# KiCad board SBC.kicad_pcb (continued)
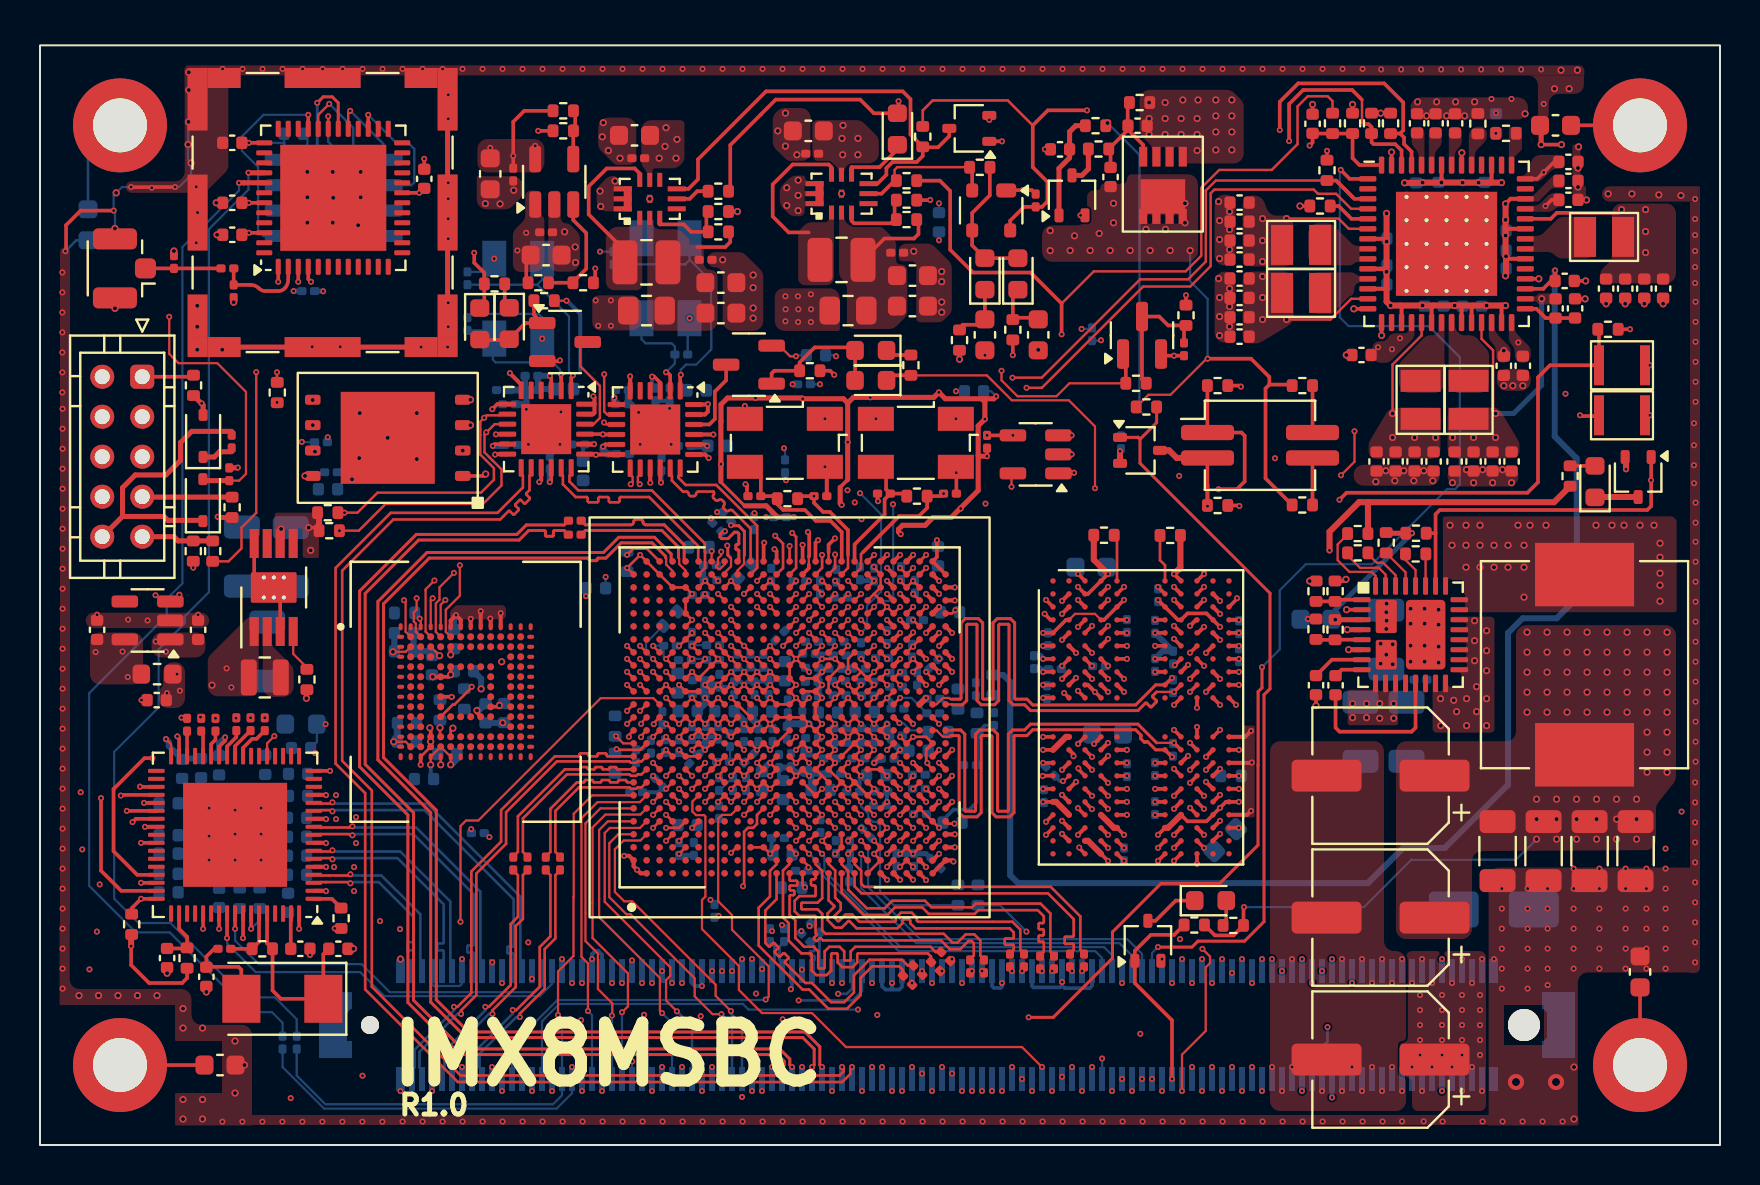
[diagram p0: board, top side]
## Placement (name value [footprint] x y rotation side) (continued)
Q2  SQS405CENW-T1_GE3  [POWERPAK_1212_8_S]  57.14 49.44 270 top
Q3  2SK3018-TP  [SOT-323_SC-70]  46.47 50.85 180 top
Q5  2SK3018-TP  [SOT-323_SC-70]  79.91 33.41 270 top
Q6  2SK3018-TP  [SOT-323_SC-70]  55.39 10.22 90 top
Q7  2SK3018-TP  [SOT-323_SC-70]  55 34.74 0 top
Q8  NX3020NAKS  [SOT-23-3]  35.44 39.03 180 top
Q9  NX3020NAKS  [SOT-23-3]  26.25 40.16 0 top
R1  169k  [R_0402_1005Metric]  64.75 25.77 90 top
R2  30k  [R_0402_1005Metric]  63.8 25.8 90 top
R3  1k  [R_0402_1005Metric]  64.75 27.7 90 top
R4  4.53k  [R_0402_1005Metric]  63.8 27.7 90 top
R5  100k  [R_0402_1005Metric]  65.89 30.58 180 top
R6  100k  [R_0402_1005Metric]  65.89 29.62 180 top
R7  10k  [R_0402_1005Metric]  67.31 30.12 270 top
R8  3.16k  [R_0402_1005Metric]  68.78 29.57 180 top
R9  10k  [R_0402_1005Metric]  68.8 30.6 0 top
R10  10k  [R_0402_1005Metric]  71.89 51.08 90 top
R11  100k  [R_0402_1005Metric]  65.63 51.1 90 top
R12  0  [R_0402_1005Metric]  64 46.97 0 top
R13  10k  [R_0402_1005Metric]  64.63 51.1 270 top
R14  4.7k  [R_0402_1005Metric]  67.53 51.1 270 top
R15  4.7k  [R_0402_1005Metric]  66.58 51.1 270 top
R16  44.2K  [R_0402_1005Metric]  54.98 52.14 180 top
R17  10k  [R_0402_1005Metric]  52.78 50.98 180 top
R18  10k  [R_0402_1005Metric]  52.93 49.82 180 top
R19  100k  [R_0402_1005Metric]  24.91 43.13 180 top
R20  0  [R_0402_1005Metric]  27.16 43.13 0 top
R21  4.32k  [R_0402_1005Metric]  13.35 23.28 270 top
R22  10k  [R_0402_1005Metric]  33.92 47.71 180 top
R23  6.98K  [R_0402_1005Metric]  26.16 51.73 0 top
R24  56K  [R_0402_1005Metric]  26.16 50.73 0 top
R25  10k  [R_0402_1005Metric]  44.14 50.44 270 top
R26  180K  [R_0402_1005Metric]  33.92 45.67 180 top
R27  360K  [R_0402_1005Metric]  33.92 46.69 0 top
R28  10k  [R_0402_1005Metric]  43.33 48.23 180 top
R29  10k  [R_0402_1005Metric]  46.99 48.9 180 top
R30  180K  [R_0402_1005Metric]  43.33 46.28 180 top
R31  360K  [R_0402_1005Metric]  43.33 47.26 0 top
R32  100  [R_0402_1005Metric]  48.64 40.78 270 top
R33  1M  [R_0402_1005Metric]  45.97 40.26 270 top
R34  10k  [R_0402_1005Metric]  59.55 18.46 180 bottom
R35  240  [R_0402_1005Metric]  44.91 20.65 0 bottom
R36  200  [R_0402_1005Metric]  32.95 29.9 180 bottom
R37  200  [R_0402_1005Metric]  28.75 20.95 270 bottom
R38  200  [R_0402_1005Metric]  29.35 29.19 270 bottom
R39  200  [R_0402_1005Metric]  28.75 19.1 90 bottom
R40  15K  [R_0402_1005Metric]  31.52 26.33 45 bottom
R41  499  [R_0402_1005Metric]  37.59 12.87 180 bottom
R42  50  [R_0402_1005Metric]  73.3 50.6 0 top
R54  1M  [R_0402_1005Metric]  37.37 32.33 180 top
R55  1M  [R_0402_1005Metric]  43.85 32.46 180 top
R56  100  [R_0201_0603Metric]  40.06 27.39 180 bottom
R57  100  [R_0201_0603Metric]  39 27.89 270 bottom
R58  4.7k  [R_0402_1005Metric]  64.35 48.75 270 top
R59  100k  [R_0402_1005Metric]  78.4 40.8 180 top
R60  1.5k  [R_0402_1005Metric]  57.3 41.5 270 top
R61  100k  [R_0402_1005Metric]  54.8 38.1 0 top
R62  100k  [R_0402_1005Metric]  45.9 12.5 90 bottom
R63  10k  [R_0402_1005Metric]  46.9 12.5 90 bottom
R64  150  [R_0201_0603Metric]  56.65 22.95 270 bottom
R65  150  [R_0201_0603Metric]  56.65 19.77 90 bottom
R66  10k  [R_0201_0603Metric]  50.75 23.8 180 bottom
R67  10k  [R_0201_0603Metric]  50.5 18.7 135 bottom
R68  240  [R_0402_1005Metric]  53.2 30.5 180 top
R69  240  [R_0402_1005Metric]  56.51 30.49 0 top
R70  1.5k  [R_0402_1005Metric]  46.85 21.1 270 bottom
R71  1.5k  [R_0402_1005Metric]  45.9 22.3 270 bottom
R72  0  [R_0402_1005Metric]  47.64 23 270 bottom
R73  4.7k  [R_0402_1005Metric]  18.23 26.61 180 bottom
R74  4.7k  [R_0402_1005Metric]  20 21.76 90 bottom
R75  4.7k  [R_0402_1005Metric]  21.22 22.31 270 bottom
R76  220  [R_0402_1005Metric]  76.5 33.46 90 top
R77  220  [R_0402_1005Metric]  59.66 10.99 180 top
R78  10k  [R_0402_1005Metric]  57.71 11.01 180 top
R79  10k  [R_0402_1005Metric]  63.12 37.98 0 top
R80  100k  [R_0402_1005Metric]  58.88 37.98 0 top
R81  10k  [R_0402_1005Metric]  63.12 32.01 0 top
R82  100k  [R_0402_1005Metric]  58.88 31.99 0 top
R83  0  [R_0402_1005Metric]  43.55 39.01 270 top
R84  10k  [R_0402_1005Metric]  55.32 36.92 0 top
R85  10k  [R_0402_1005Metric]  38.49 38.73 180 top
R86  10k  [R_0402_1005Metric]  14.39 31.63 0 top
R87  10k  [R_0402_1005Metric]  14.46 30.73 0 top
R88  10k  [R_0402_1005Metric]  11.86 37.64 270 top
R89  39  [R_0201_0603Metric]  9.58 35.19 90 top
R90  0  [R_0402_1005Metric]  22.73 43.07 180 top
R91  100  [R_0402_1005Metric]  7.67 38 90 top
R92  0  [R_0402_1005Metric]  9.6 31.9 90 top
R93  0  [R_0402_1005Metric]  7.66 29.71 90 top
R94  0  [R_0402_1005Metric]  8.63 29.71 90 top
R95  10k  [R_0402_1005Metric]  25.21 42.23 180 top
R96  2k  [R_0402_1005Metric]  15.05 11.34 270 top
R97  0  [R_0402_1005Metric]  10.98 12.34 90 bottom
R98  0  [R_0402_1005Metric]  9.98 12.34 90 bottom
R99  39  [R_0201_0603Metric]  12.13 5.12 270 bottom
R100  39  [R_0201_0603Metric]  12.84 5.12 270 bottom
R101  39  [R_0201_0603Metric]  7.35 21.02 270 top
R102  39  [R_0201_0603Metric]  8.06 21.02 270 top
R103  39  [R_0201_0603Metric]  8.77 21.02 270 top
R104  39  [R_0201_0603Metric]  9.82 21.05 270 top
R105  39  [R_0201_0603Metric]  10.53 21.05 270 top
R106  39  [R_0201_0603Metric]  11.24 21.05 270 top
R107  10k  [R_0402_1005Metric]  7.35 9.35 90 top
R108  0  [R_0402_1005Metric]  4.58 11.04 90 top
R109  1M  [R_0402_1005Metric]  11.12 9.81 0 top
R110  39  [R_0201_0603Metric]  9.22 9.81 180 top
SH1  0  [R_0805_2012Metric]  30.32 41.74 180 top
SH2  0  [R_0805_2012Metric]  40.4 41.73 180 top
SW1  -  [NANOT160AS]  77.95 39 0 top
SW2  -  [NANOT160AS]  77.95 36.5 0 top
SW3  DS05-127-2-02BK-SMT-TR  [SW_DIP_SPSTx02_Slide_KingTek_DSHP02TJ_W5.25mm_P1.27mm_JPin]  61 35 0 top
U1  MC34PF4210A1ES  [QFN-56-1EP_8x8mm_P0.5mm_EP4.5x5.2mm_ThermalVias]  70.33 45.07 0 top
U2  SIC402ACD-T1-GE3  [PowerPAK_MLP55-32L]  68.53 25.52 0 top
U3  TLV74310PDBVR  [SOT-23-5]  5.38 26.24 180 top
U4  LDCL015MR  [SOT-23-5]  25.71 48.18 90 top
U5  -  [MP2147GD-Z]  29.99 46.38 90 top
U6  TPS62842DGR  [VSSOP-8_3.0x3.0mm_P0.65mm]  11.69 27.89 90 top
U7  -  [MP2147GD-Z]  39.58 46.63 90 top
U8  APX811-26UG-7  [SOT-143]  47.56 46.75 270 top
U9  MIMX8MD6DVAJZAB  [BGA621C65P25X25_1700X1700X218N]  37.48 21.39 90 top
U10  SIT1630AE-S6-DCC-32.768E  [SOT-23-5]  49.78 34.54 180 top
U11  TLV803EB26RDBZR  [SOT-23]  55.1 40.5 90 top
U12  MT53E1G32D2FW-046_WT:A  [200-Ball TFBGA – 10mm x 14.5mm x 1.1mm]  55.05 21.39 0 top
U13  SDINBDG4-16G-I2  [BGA153N50P14X14_1300X1150X80]  21.28 22.67 0 top
U14  IS25LP256D-JLLE  [WSON-8-1EP_8x6mm_P1.27mm_E4.7X4.6mm]  17.39 35.37 180 top
U15  9FGV0241AKLF  [VQFN-24-1EP_4x4mm_P0.5mm_EP2.5x2.5mm]  30.76 35.79 270 top
U16  9FGV0241AKLF  [VQFN-24-1EP_4x4mm_P0.5mm_EP2.5x2.5mm]  25.31 35.81 270 top
U17  VSC8541XMV-02  [QFN-68-1EP_8x8mm_P0.4mm_EP5.2x5.2mm]  9.75 15.51 180 top
U18  ESP-PSRAM32  [SOIC-8_3.9x4.9mm_P1.27mm]  14.69 47.37 180 bottom
U19  ESP32-PICO-D4  [QFN-48-1EP_7x7mm_P0.5mm_EP5.3x5.3mm]  14.66 47.38 90 top
Y1  ABM3B-25.000MHZ-D4Y-T  [Crystal_SMD_Abracon_ABM3B-4Pin_5.0x3.2mm]  37.24 35.12 180 top
Y2  ABM3B-27.000MHZ-D3Y-T  [Crystal_SMD_Abracon_ABM3B-4Pin_5.0x3.2mm]  43.79 35.12 180 top
Y3  ABM3B-25.000MHZ-D4Y-T  [Crystal_SMD_Abracon_ABM3B-4Pin_5.0x3.2mm]  31.28 43.35 90 bottom
Y4  ABM3B-25.000MHZ-D4Y-T  [Crystal_SMD_Abracon_ABM3B-4Pin_5.0x3.2mm]  23.91 42.33 90 bottom
Y5  ABM3B-25.000MHZ-D4Y-T  [Crystal_SMD_Abracon_ABM3-2Pin_5.0x3.2mm]  12.12 7.31 180 top

## Library data of the parts
C1 = -: Voltage: 10V; MPN: C0402C222J3GAC7867; ki_fp_filters: C_*
C2-C16 C18 C19 C24-C26 C49 C61 = -: Voltage: 6.3V; MPN: CM05X5R475M16AH; ki_fp_filters: C_*
C17 C58 C141 C277-C287 C311 C315-C319 C324-C327 C330-C333 C335-C338 = -: Voltage: 16V; MPN: CC0402JRX7R7BB472; ki_fp_filters: C_*
C20 C27 C28 = -: Part Number: GYC1H330MCW1GS; Voltage: 30V; MPN: GYC1H330MCW1GS
C21-C23 C30-C35 C38-C40 C45 C46 C50-C56 C59 C60 C62 C63 C65 C70 = -: Voltage: 10V; MPN: KGM05DR50J226MH; VOLTAGE: 6.3V; ki_fp_filters: C_*
C29 C69 C74 C76-C78 C84-C86 = -: Description: Unpolarized capacitor, small symbol; VOLTAGE: 10V; MPN: CL10A226MO7JZNC; ki_fp_filters: C_*
C36 C41 C43 C47 C67 C71 = -: Description: Unpolarized capacitor, small symbol; VOLTAGE: 30V; MPN: CL31A106KOHNNNE; ki_fp_filters: C_*
C37 C42 C44 = -: Description: Unpolarized capacitor, small symbol; VOLTAGE: 50V; MPN: CL31A106KOHNNNE; ki_fp_filters: C_*
C48 = -: Description: Unpolarized capacitor, small symbol; VOLTAGE: 50V; MPN: GRM033R61C224KE14D; ki_fp_filters: C_*
C57 = -: Voltage: 50V; MPN: GRM155R61H105ME05D; ki_fp_filters: C_*
C64 = -: Voltage: 25V; MPN: GCM155R71E223KA55J; ki_fp_filters: C_*
C66 C73 C75 C79 C80 C83 C87 = -: Description: Unpolarized capacitor, small symbol; VOLTAGE: 50V; MPN: GRM033Z71C104KE14D; ki_fp_filters: C_*
C68 = -: Description: Unpolarized capacitor, small symbol; VOLTAGE: 16V; MPN: CL31A106KOHNNNE; ki_fp_filters: C_*
C72 C276 = -: Description: Unpolarized capacitor, small symbol; VOLTAGE: 16V; MPN: GRM033R61C224KE14D; ki_fp_filters: C_*
C81 = -: Description: Unpolarized capacitor, small symbol; VOLTAGE: 50V; MPN: CL10B102KB8NNNC; ki_fp_filters: C_*
C82 = -: Description: Unpolarized capacitor, small symbol; VOLTAGE: 50V; MPN: 0603X105K500CT; ki_fp_filters: C_*
C88 C113-C129 C161 C164 C172 C173 C175 C177 C178 C180 C181 C183-C185 C188-C190 C192 C195-C197 C199-C202 C204-C206 C208-C211 C214 C215 C218-C222 C224 C225 C227 C230-C237 C240-C246 C249-C252 C294-C300 C303-C309 = -: Voltage: 6.3V; MPN: JMK063ABJ105KP-F; ki_fp_filters: C_*
C89-C112 C132 C135-C140 C143-C148 C150 C151 C153 C154 C162 C165 C182 C187 C193 C212 C223 C226 C254 C255 C313 C314 = -: Voltage: 16V; MPN: GRM033Z71C104KE14D; ki_fp_filters: C_*
C130 C131 C134 C142 C152 C155-C159 C166 C167 C169-C171 C174 C179 C191 C194 C203 C213 = -: Voltage: 10V; MPN: GRM158R61A226ME15D; ki_fp_filters: C_*
C133 C149 C160 C163 C292 C293 C301 C302 = -: Voltage: 16V; MPN: GRM0335C1E270JA01D; ki_fp_filters: C_*
C168 C176 = -: Voltage: 6.3V; MPN: GRM033R71C103KE14D; ki_fp_filters: C_*
C186 C198 C207 C216 C217 C228 C229 C238 C239 C247 C248 = -: Voltage: 6.3V; MPN: GRM033R71C472KE14D; ki_fp_filters: C_*
C253 C258-C267 C269-C274 = -: Voltage: 6.3V; MPN: GRM035R60J475ME15J; ki_fp_filters: C_*
C256 C257 C268 = -: Voltage: 16V; MPN: CL10A226MO7JZNC; ki_fp_filters: C_*
C275 = -: Description: Unpolarized capacitor, small symbol; VOLTAGE: 10V; MPN: GRM158R61A226ME15D; ki_fp_filters: C_*
C288-C291 = -: Description: Unpolarized capacitor, small symbol; VOLTAGE: 16V; MPN: GCJ188R72A223KA01D; ki_fp_filters: C_*
C310 = -: Voltage: 10V; MPN: KGM05AR71C103KH; ki_fp_filters: C_*
C312 C321-C323 C329 C334 C339 = -: Voltage: 10V; MPN: GRM155R61A106ME11D; ki_fp_filters: C_*
C320 C328 = -: Voltage: 16V; MPN: GRM1555C1H270JA01D; ki_fp_filters: C_*
D1 = -: Description: Bidirectional transient-voltage-suppression diode; ki_fp_filters: TO-???* *_Diode_* *SingleDiode* D_*
D2 D7 D8 D11 D12 = -: MPN: SD0603S040S0R2; ki_fp_filters: TO-???* *_Diode_* *SingleDiode* D_*
D3 D4 D9 D10 = -: ki_fp_filters: TO-???* *_Diode_* *SingleDiode* D_*
D5 D6 = -: Description: Light emitting diode; ki_fp_filters: LED* LED_SMD:* LED_THT:*
FB1 FB3-FB6 = -: MPN: BLM15PD121SN1D; ki_fp_filters: Inductor_* L_* *Ferrite*
FB2 = -: MPN: MMZ0603S241HT000; ki_fp_filters: Inductor_* L_* *Ferrite*
FB7 FB8 = -: MPN: BMC1JY0240AN; ki_fp_filters: Inductor_* L_* *Ferrite*
H1-H4 = -: ki_fp_filters: MountingHole*Pad*
HS1 = -: ki_fp_filters: Heatsink_*
J2 = -: ki_fp_filters: Connector*:*_2x??_*
J3 = -: Description: coaxial connector (BNC, SMA, SMB, SMC, Cinch/RCA, LEMO, ...); ki_fp_filters: *BNC* *SMA* *SMB* *SMC* *Cinch* *LEMO*
J4 = -: Description: One-piece EMI RF shielding cabinet; MPN: BMI-S-101_13
L1-L5 = -: Part Number: 74404024010; MPN: 74404024010; ki_fp_filters: Choke_* *Coil* Inductor_* L_*
L6 = -: Part Number: IHLP4040DZER4R7MA1; MPN: IHLP4040DZER4R7MA1; ki_fp_filters: Choke_* *Coil* Inductor_* L_*
L7 = -: Description: DFE201612E-2R2M=P2; Part Number: DFE201612E-2R2M=P2; MPN: DFE201612E-2R2M=P2; ki_fp_filters: Choke_* *Coil* Inductor_* L_*
L8 L9 = -: Description: DFE252012F-R47M=P2; Part Number: DFE252012F-R47M=P2; MPN: DFE252012F-R47M=P2; ki_fp_filters: Choke_* *Coil* Inductor_* L_*
L10 = -: ki_fp_filters: Choke_* *Coil* Inductor_* L_*
Q1 Q3 Q5-Q9 = -: Description: N-MOSFET transistor, gate/source/drain
R1 = -: MPN: CR0402-FX-1693GLF; ki_fp_filters: R_*
R2 = -: MPN: CR0402-FX-3002GLF; ki_fp_filters: R_*
R3 = -: Part Number: WR04X8251FTL; MPN: RC0402FR-071KL; ki_fp_filters: R_*
R4 = -: MPN: CR0402-FX-4531GLF; ki_fp_filters: R_*
R5 R6 R11 R19 R59 R61 R62 R80 R82 = -: MPN: RC0402FR-07100KL; ki_fp_filters: R_*
R7 R9 R10 R13 R17 R18 R22 R25 R28 R29 R34 R63 R66 R67 R78 R79 R81 R84-R88 R95 R107 = -: MPN: RC0402JR-0710KL; ki_fp_filters: R_*
R8 = -: MPN: RC0402FR-073K16L; ki_fp_filters: R_*
R12 R20 R72 R83 R90 R92-R94 R97 R98 R108 = -: MPN: ERJ-2GE0R00X; ki_fp_filters: R_*
R14 R15 R58 R73-R75 = -: MPN: RC0402FR-074K7L; ki_fp_filters: R_*
R16 = -: MPN: CR0402-FX-4422GLF; ki_fp_filters: R_*
R21 R42 = -: MPN: RC0402FR-074K32L; ki_fp_filters: R_*
R23 = -: MPN: RC0402FR-076K98L; ki_fp_filters: R_*
R24 = -: MPN: CR0402-FX-5602GLF; ki_fp_filters: R_*
R26 R30 = -: MPN: CR0402-FX-1803GLF; ki_fp_filters: R_*
R27 R31 = -: MPN: CR0402FC360KS1; ki_fp_filters: R_*
R32 R91 = -: MPN: RC0402FR-07100RL; ki_fp_filters: R_*
R33 R54 R55 R109 = -: MPN: ERJ-2RKF1004X; ki_fp_filters: R_*
R35 R68 R69 = -: MPN: RC0402FR-07240RL; ki_fp_filters: R_*
R36-R39 = -: MPN: RK73G1ETTP2000F; ki_fp_filters: R_*
R40 = -: MPN: ERJ-2RKF1502X; ki_fp_filters: R_*
R41 = -: MPN: ERJ-2RKF4990X; ki_fp_filters: R_*
R56 R57 = -: MPN: RC0201FR-07100RL; ki_fp_filters: R_*
R60 R70 R71 = -: MPN: WR04X1501FTL; ki_fp_filters: R_*
R64 R65 = -: MPN: CR0402-FX-1500GLF; ki_fp_filters: R_*
R76 R77 = -: MPN: RK73G1ETTP2200F; ki_fp_filters: R_*
R89 R99-R106 R110 = -: MPN: RC0201FR-0739RL; ki_fp_filters: R_*
R96 = -: MPN: ERJ-2RKF2001X; ki_fp_filters: R_*
SH1 SH2 = -: MPN: RMCF0805ZT0R00
SW3 = -: Description: 2x DIP Switch, Single Pole Single Throw (SPST) switch, small symbol; ki_fp_filters: SW?DIP?x2*
U4 = -: Description: LDCL015
U17 = -: ki_fp_filters: QFN?68*1EP*8x8mm*P0.4mm*
U18 = -: Description: 32 Mbit serial pseudo SRAM device organized as 4Mx8 bits, 1.8 VCC, SOIC8 (SOP8); ki_fp_filters: SOIC*3.9x4.9mm?P1.27mm*
U19 = -: Description: RF Module, ESP32 SoC, Wi-Fi 802.11b/g/n, Bluetooth, BLE, 32-bit, 2.7-3.6V, external antenna, QFN-48; ki_fp_filters: QFN*1EP*7x7mm*P0.5mm*
Y1-Y5 = -: ki_fp_filters: Crystal*

## Footprints (pads in the part's own frame, mm; a bottom-side part is the same pattern mirrored in y, then rotated)
200-Ball TFBGA – 10mm x 14.5mm x 1.1mm
  round 0.27 smd: A1(-4.4,6.825) A2(-3.6,6.825) A3(-2.8,6.825) A4(-2,6.825) A5(-1.2,6.825) A8(1.2,6.825) A9(2,6.825) A10(2.8,6.825) A11(3.6,6.825) A12(4.4,6.825) AA1(-4.4,-6.175) AA2(-3.6,-6.175) AA3(-2.8,-6.175) AA4(-2,-6.175) AA5(-1.2,-6.175) AA8(1.2,-6.175) AA9(2,-6.175) AA10(2.8,-6.175) AA11(3.6,-6.175) AA12(4.4,-6.175) AB1(-4.4,-6.825) AB2(-3.6,-6.825) AB3(-2.8,-6.825) AB4(-2,-6.825) AB5(-1.2,-6.825) AB8(1.2,-6.825) AB9(2,-6.825) AB10(2.8,-6.825) AB11(3.6,-6.825) AB12(4.4,-6.825) B1(-4.4,6.175) B2(-3.6,6.175) B3(-2.8,6.175) B4(-2,6.175) B5(-1.2,6.175) B8(1.2,6.175) B9(2,6.175) B10(2.8,6.175) B11(3.6,6.175) B12(4.4,6.175) C1(-4.4,5.525) C2(-3.6,5.525) C3(-2.8,5.525) C4(-2,5.525) C5(-1.2,5.525) C8(1.2,5.525) C9(2,5.525) C10(2.8,5.525) C11(3.6,5.525) C12(4.4,5.525) D1(-4.4,4.875) D2(-3.6,4.875) D3(-2.8,4.875) D4(-2,4.875) D5(-1.2,4.875) D8(1.2,4.875) D9(2,4.875) D10(2.8,4.875) D11(3.6,4.875) D12(4.4,4.875) E1(-4.4,4.225) E2(-3.6,4.225) E3(-2.8,4.225) E4(-2,4.225) E5(-1.2,4.225) E8(1.2,4.225) E9(2,4.225) E10(2.8,4.225) E11(3.6,4.225) E12(4.4,4.225) F1(-4.4,3.575) F2(-3.6,3.575) F3(-2.8,3.575) F4(-2,3.575) F5(-1.2,3.575) F8(1.2,3.575) F9(2,3.575) F10(2.8,3.575) F11(3.6,3.575) F12(4.4,3.575) G1(-4.4,2.925) G2(-3.6,2.925) G3(-2.8,2.925) G4(-2,2.925) G5(-1.2,2.925) G8(1.2,2.925) G9(2,2.925) G10(2.8,2.925) G11(3.6,2.925) G12(4.4,2.925) H1(-4.4,2.275) H2(-3.6,2.275) H3(-2.8,2.275) H4(-2,2.275) H5(-1.2,2.275) H8(1.2,2.275) H9(2,2.275) H10(2.8,2.275) H11(3.6,2.275) H12(4.4,2.275) J1(-4.4,1.625) J2(-3.6,1.625) J3(-2.8,1.625) J4(-2,1.625) J5(-1.2,1.625) J8(1.2,1.625) J9(2,1.625) J10(2.8,1.625) J11(3.6,1.625) J12(4.4,1.625) K1(-4.4,0.975) K2(-3.6,0.975) K3(-2.8,0.975) K4(-2,0.975) K5(-1.2,0.975) K8(1.2,0.975) K9(2,0.975) K10(2.8,0.975) K11(3.6,0.975) K12(4.4,0.975) N1(-4.4,-0.975) N2(-3.6,-0.975) N3(-2.8,-0.975) N4(-2,-0.975) N5(-1.2,-0.975) N8(1.2,-0.975) N9(2,-0.975) N10(2.8,-0.975) N11(3.6,-0.975) N12(4.4,-0.975) P1(-4.4,-1.625) P2(-3.6,-1.625) P3(-2.8,-1.625) P4(-2,-1.625) P5(-1.2,-1.625) P8(1.2,-1.625) P9(2,-1.625) P10(2.8,-1.625) P11(3.6,-1.625) P12(4.4,-1.625) R1(-4.4,-2.275) R2(-3.6,-2.275) R3(-2.8,-2.275) R4(-2,-2.275) R5(-1.2,-2.275) R8(1.2,-2.275) R9(2,-2.275) R10(2.8,-2.275) R11(3.6,-2.275) R12(4.4,-2.275) T1(-4.4,-2.925) T2(-3.6,-2.925) T3(-2.8,-2.925) T4(-2,-2.925) T5(-1.2,-2.925) T8(1.2,-2.925) T9(2,-2.925) T10(2.8,-2.925) T11(3.6,-2.925) T12(4.4,-2.925) U1(-4.4,-3.575) U2(-3.6,-3.575) U3(-2.8,-3.575) U4(-2,-3.575) U5(-1.2,-3.575) U8(1.2,-3.575) U9(2,-3.575) U10(2.8,-3.575) U11(3.6,-3.575) U12(4.4,-3.575) V1(-4.4,-4.225) V2(-3.6,-4.225) V3(-2.8,-4.225) V4(-2,-4.225) V5(-1.2,-4.225) V8(1.2,-4.225) V9(2,-4.225) V10(2.8,-4.225) V11(3.6,-4.225) V12(4.4,-4.225) W1(-4.4,-4.875) W2(-3.6,-4.875) W3(-2.8,-4.875) W4(-2,-4.875) W5(-1.2,-4.875) W8(1.2,-4.875) W9(2,-4.875) W10(2.8,-4.875) W11(3.6,-4.875) W12(4.4,-4.875) Y1(-4.4,-5.525) Y2(-3.6,-5.525) Y3(-2.8,-5.525) Y4(-2,-5.525) Y5(-1.2,-5.525) Y8(1.2,-5.525) Y9(2,-5.525) Y10(2.8,-5.525) Y11(3.6,-5.525) Y12(4.4,-5.525)
74404024010
  rect 1.1x2 smd: 1(0.95,0) 2(-0.95,0)
BGA153N50P14X14_1300X1150X80
  oval 0.2x0.35 smd: A1(-3.25,3.25) A2(-2.75,3.25) A3(-2.25,3.25) A4(-1.75,3.25) A5(-1.25,3.25) A6(-0.75,3.25) A7(-0.25,3.25) A8(0.25,3.25) A9(0.75,3.25) A10(1.25,3.25) A11(1.75,3.25) A12(2.25,3.25) A13(2.75,3.25) A14(3.25,3.25) P1(-3.25,-3.25) P2(-2.75,-3.25) P3(-2.25,-3.25) P4(-1.75,-3.25) P5(-1.25,-3.25) P6(-0.75,-3.25) P7(-0.25,-3.25) P8(0.25,-3.25) P9(0.75,-3.25) P10(1.25,-3.25) P11(1.75,-3.25) P12(2.25,-3.25) P13(2.75,-3.25) P14(3.25,-3.25)
  oval 0.35x0.2 smd: B1(-3.25,2.75) B14(3.25,2.75) C1(-3.25,2.25) C14(3.25,2.25) D1(-3.25,1.75) D14(3.25,1.75) E1(-3.25,1.25) E14(3.25,1.25) F1(-3.25,0.75) F14(3.25,0.75) G1(-3.25,0.25) G14(3.25,0.25) H1(-3.25,-0.25) H14(3.25,-0.25) J1(-3.25,-0.75) J14(3.25,-0.75) K1(-3.25,-1.25) K14(3.25,-1.25) L1(-3.25,-1.75) L14(3.25,-1.75) M1(-3.25,-2.25) M14(3.25,-2.25) N1(-3.25,-2.75) N14(3.25,-2.75)
  round 0.35 smd: B2(-2.75,2.75) B3(-2.25,2.75) B4(-1.75,2.75) B5(-1.25,2.75) B6(-0.75,2.75) B7(-0.25,2.75) B8(0.25,2.75) B9(0.75,2.75) B10(1.25,2.75) B11(1.75,2.75) B12(2.25,2.75) B13(2.75,2.75) C2(-2.75,2.25) C3(-2.25,2.25) C4(-1.75,2.25) C5(-1.25,2.25) C6(-0.75,2.25) C7(-0.25,2.25) C8(0.25,2.25) C9(0.75,2.25) C10(1.25,2.25) C11(1.75,2.25) C12(2.25,2.25) C13(2.75,2.25) D2(-2.75,1.75) D3(-2.25,1.75) D4(-1.75,1.75) D12(2.25,1.75) D13(2.75,1.75) E2(-2.75,1.25) E3(-2.25,1.25) E5(-1.25,1.25) E6(-0.75,1.25) E7(-0.25,1.25) E8(0.25,1.25) E9(0.75,1.25) E10(1.25,1.25) E12(2.25,1.25) E13(2.75,1.25) F2(-2.75,0.75) F3(-2.25,0.75) F5(-1.25,0.75) F10(1.25,0.75) F12(2.25,0.75) F13(2.75,0.75) G2(-2.75,0.25) G3(-2.25,0.25) G5(-1.25,0.25) G10(1.25,0.25) G12(2.25,0.25) G13(2.75,0.25) H2(-2.75,-0.25) H3(-2.25,-0.25) H5(-1.25,-0.25) H10(1.25,-0.25) H12(2.25,-0.25) H13(2.75,-0.25) J2(-2.75,-0.75) J3(-2.25,-0.75) J5(-1.25,-0.75) J10(1.25,-0.75) J12(2.25,-0.75) J13(2.75,-0.75) K2(-2.75,-1.25) K3(-2.25,-1.25) K5(-1.25,-1.25) K6(-0.75,-1.25) K7(-0.25,-1.25) K8(0.25,-1.25) K9(0.75,-1.25) K10(1.25,-1.25) K12(2.25,-1.25) K13(2.75,-1.25) L2(-2.75,-1.75) L3(-2.25,-1.75) L12(2.25,-1.75) L13(2.75,-1.75) M2(-2.75,-2.25) M3(-2.25,-2.25) M4(-1.75,-2.25) M5(-1.25,-2.25) M6(-0.75,-2.25) M7(-0.25,-2.25) M8(0.25,-2.25) M9(0.75,-2.25) M10(1.25,-2.25) M11(1.75,-2.25) M12(2.25,-2.25) M13(2.75,-2.25) N2(-2.75,-2.75) N3(-2.25,-2.75) N4(-1.75,-2.75) N5(-1.25,-2.75) N6(-0.75,-2.75) N7(-0.25,-2.75) N8(0.25,-2.75) N9(0.75,-2.75) N10(1.25,-2.75) N11(1.75,-2.75) N12(2.25,-2.75) N13(2.75,-2.75)
BGA621C65P25X25_1700X1700X218N
  round 0.33 smd: A2(-7.15,7.8) A3(-6.5,7.8) A4(-5.85,7.8) A5(-5.2,7.8) A6(-4.55,7.8) A7(-3.9,7.8) A8(-3.25,7.8) A9(-2.6,7.8) A10(-1.95,7.8) A11(-1.3,7.8) A12(-0.65,7.8) A13(0,7.8) A14(0.65,7.8) A15(1.3,7.8) A16(1.95,7.8) A17(2.6,7.8) A18(3.25,7.8) A19(3.9,7.8) A20(4.55,7.8) A21(5.2,7.8) A22(5.85,7.8) A23(6.5,7.8) A24(7.15,7.8) AA1(-7.8,-5.2) AA2(-7.15,-5.2) AA3(-6.5,-5.2) AA4(-5.85,-5.2) AA5(-5.2,-5.2) AA6(-4.55,-5.2) AA7(-3.9,-5.2) AA8(-3.25,-5.2) AA9(-2.6,-5.2) AA10(-1.95,-5.2) AA11(-1.3,-5.2) AA12(-0.65,-5.2) AA13(0,-5.2) AA14(0.65,-5.2) AA15(1.3,-5.2) AA16(1.95,-5.2) AA17(2.6,-5.2) AA18(3.25,-5.2) AA19(3.9,-5.2) AA20(4.55,-5.2) AA21(5.2,-5.2) AA22(5.85,-5.2) AA23(6.5,-5.2) AA24(7.15,-5.2) AA25(7.8,-5.2) AB1(-7.8,-5.85) AB2(-7.15,-5.85) AB3(-6.5,-5.85) AB4(-5.85,-5.85) AB5(-5.2,-5.85) AB6(-4.55,-5.85) AB7(-3.9,-5.85) AB8(-3.25,-5.85) AB9(-2.6,-5.85) AB10(-1.95,-5.85) AB11(-1.3,-5.85) AB12(-0.65,-5.85) AB13(0,-5.85) AB14(0.65,-5.85) AB15(1.3,-5.85) AB16(1.95,-5.85) AB17(2.6,-5.85) AB18(3.25,-5.85) AB19(3.9,-5.85) AB20(4.55,-5.85) AB21(5.2,-5.85) AB22(5.85,-5.85) AB23(6.5,-5.85) AB24(7.15,-5.85) AB25(7.8,-5.85) AC1(-7.8,-6.5) AC2(-7.15,-6.5) AC3(-6.5,-6.5) AC4(-5.85,-6.5) AC5(-5.2,-6.5) AC6(-4.55,-6.5) AC7(-3.9,-6.5) AC8(-3.25,-6.5) AC9(-2.6,-6.5) AC10(-1.95,-6.5) AC11(-1.3,-6.5) AC12(-0.65,-6.5) AC13(0,-6.5) AC14(0.65,-6.5) AC15(1.3,-6.5) AC16(1.95,-6.5) AC17(2.6,-6.5) AC18(3.25,-6.5) AC19(3.9,-6.5) AC20(4.55,-6.5) AC21(5.2,-6.5) AC22(5.85,-6.5) AC23(6.5,-6.5) AC24(7.15,-6.5) AC25(7.8,-6.5) AD1(-7.8,-7.15) AD2(-7.15,-7.15) AD3(-6.5,-7.15) AD4(-5.85,-7.15) AD5(-5.2,-7.15) AD6(-4.55,-7.15) AD7(-3.9,-7.15) AD8(-3.25,-7.15) AD9(-2.6,-7.15) AD10(-1.95,-7.15) AD11(-1.3,-7.15) AD12(-0.65,-7.15) AD13(0,-7.15) AD14(0.65,-7.15) AD15(1.3,-7.15) AD16(1.95,-7.15) AD17(2.6,-7.15) AD18(3.25,-7.15) AD19(3.9,-7.15) AD20(4.55,-7.15) AD21(5.2,-7.15) AD22(5.85,-7.15) AD23(6.5,-7.15) AD24(7.15,-7.15) AD25(7.8,-7.15) AE2(-7.15,-7.8) AE3(-6.5,-7.8) AE4(-5.85,-7.8) AE5(-5.2,-7.8) AE6(-4.55,-7.8) AE7(-3.9,-7.8) AE8(-3.25,-7.8) AE9(-2.6,-7.8) AE10(-1.95,-7.8) AE11(-1.3,-7.8) AE12(-0.65,-7.8) AE13(0,-7.8) AE14(0.65,-7.8) AE15(1.3,-7.8) AE16(1.95,-7.8) AE17(2.6,-7.8) AE18(3.25,-7.8) AE19(3.9,-7.8) AE20(4.55,-7.8) AE21(5.2,-7.8) AE22(5.85,-7.8) AE23(6.5,-7.8) AE24(7.15,-7.8) B1(-7.8,7.15) B2(-7.15,7.15) B3(-6.5,7.15) B4(-5.85,7.15) B5(-5.2,7.15) B6(-4.55,7.15) B7(-3.9,7.15) B8(-3.25,7.15) B9(-2.6,7.15) B10(-1.95,7.15) B11(-1.3,7.15) B12(-0.65,7.15) B13(0,7.15) B14(0.65,7.15) B15(1.3,7.15) B16(1.95,7.15) B17(2.6,7.15) B18(3.25,7.15) B19(3.9,7.15) B20(4.55,7.15) B21(5.2,7.15) B22(5.85,7.15) B23(6.5,7.15) B24(7.15,7.15) B25(7.8,7.15) C1(-7.8,6.5) C2(-7.15,6.5) C3(-6.5,6.5) C4(-5.85,6.5) C5(-5.2,6.5) C6(-4.55,6.5) C7(-3.9,6.5) C8(-3.25,6.5) C9(-2.6,6.5) C10(-1.95,6.5) C11(-1.3,6.5) C12(-0.65,6.5) C13(0,6.5) C14(0.65,6.5) C15(1.3,6.5) C16(1.95,6.5) C17(2.6,6.5) C18(3.25,6.5) C19(3.9,6.5) C20(4.55,6.5) C21(5.2,6.5) C22(5.85,6.5) C23(6.5,6.5) C24(7.15,6.5) C25(7.8,6.5) D1(-7.8,5.85) D2(-7.15,5.85) D3(-6.5,5.85) D4(-5.85,5.85) D5(-5.2,5.85) D6(-4.55,5.85) D7(-3.9,5.85) D8(-3.25,5.85) D9(-2.6,5.85) D10(-1.95,5.85) D11(-1.3,5.85) D12(-0.65,5.85) D13(0,5.85) D14(0.65,5.85) D15(1.3,5.85) D16(1.95,5.85) D17(2.6,5.85) D18(3.25,5.85) D19(3.9,5.85) D20(4.55,5.85) D21(5.2,5.85) D22(5.85,5.85) D23(6.5,5.85) D24(7.15,5.85) D25(7.8,5.85) E1(-7.8,5.2) E2(-7.15,5.2) E3(-6.5,5.2) E4(-5.85,5.2) E5(-5.2,5.2) E6(-4.55,5.2) E7(-3.9,5.2) E8(-3.25,5.2) E9(-2.6,5.2) E10(-1.95,5.2) E11(-1.3,5.2) E12(-0.65,5.2) E13(0,5.2) E14(0.65,5.2) E15(1.3,5.2) E16(1.95,5.2) E17(2.6,5.2) E18(3.25,5.2) E19(3.9,5.2) E20(4.55,5.2) E21(5.2,5.2) E22(5.85,5.2) E23(6.5,5.2) E24(7.15,5.2) E25(7.8,5.2) F1(-7.8,4.55) F2(-7.15,4.55) F3(-6.5,4.55) F4(-5.85,4.55) F5(-5.2,4.55) F6(-4.55,4.55) F7(-3.9,4.55) F8(-3.25,4.55) F9(-2.6,4.55) F10(-1.95,4.55) F11(-1.3,4.55) F12(-0.65,4.55) F13(0,4.55) F14(0.65,4.55) F15(1.3,4.55) F16(1.95,4.55) F17(2.6,4.55) F18(3.25,4.55) F19(3.9,4.55) F20(4.55,4.55) F21(5.2,4.55) F22(5.85,4.55) F23(6.5,4.55) F24(7.15,4.55) F25(7.8,4.55) G1(-7.8,3.9) G2(-7.15,3.9) G3(-6.5,3.9) G4(-5.85,3.9) G5(-5.2,3.9) G6(-4.55,3.9) G7(-3.9,3.9) G8(-3.25,3.9) G9(-2.6,3.9) G10(-1.95,3.9) G11(-1.3,3.9) G12(-0.65,3.9) G13(0,3.9) G14(0.65,3.9) G15(1.3,3.9) G16(1.95,3.9) G17(2.6,3.9) G18(3.25,3.9) G19(3.9,3.9) G20(4.55,3.9) G21(5.2,3.9) G22(5.85,3.9) G23(6.5,3.9) G24(7.15,3.9) G25(7.8,3.9) H1(-7.8,3.25) H2(-7.15,3.25) H3(-6.5,3.25) H4(-5.85,3.25) H5(-5.2,3.25) H6(-4.55,3.25) H7(-3.9,3.25) H8(-3.25,3.25) H9(-2.6,3.25) H10(-1.95,3.25) H11(-1.3,3.25) H12(-0.65,3.25) H13(0,3.25) H14(0.65,3.25) H15(1.3,3.25) H16(1.95,3.25) H17(2.6,3.25) H18(3.25,3.25) H19(3.9,3.25) H20(4.55,3.25) H21(5.2,3.25) H22(5.85,3.25) H23(6.5,3.25) H24(7.15,3.25) H25(7.8,3.25) J1(-7.8,2.6) J2(-7.15,2.6) J3(-6.5,2.6) J4(-5.85,2.6) J5(-5.2,2.6) J6(-4.55,2.6) J7(-3.9,2.6) J8(-3.25,2.6) J9(-2.6,2.6) J10(-1.95,2.6) J11(-1.3,2.6) J12(-0.65,2.6) J13(0,2.6) J14(0.65,2.6) J15(1.3,2.6) J16(1.95,2.6) J17(2.6,2.6) J18(3.25,2.6) J19(3.9,2.6) J20(4.55,2.6) J21(5.2,2.6) J22(5.85,2.6) J23(6.5,2.6) J24(7.15,2.6) J25(7.8,2.6) K1(-7.8,1.95) K2(-7.15,1.95) K3(-6.5,1.95) K4(-5.85,1.95) K5(-5.2,1.95) K6(-4.55,1.95) K7(-3.9,1.95) K8(-3.25,1.95) K9(-2.6,1.95) K10(-1.95,1.95) K11(-1.3,1.95) K12(-0.65,1.95) K13(0,1.95) K14(0.65,1.95) K15(1.3,1.95) K16(1.95,1.95) K17(2.6,1.95) K18(3.25,1.95) K19(3.9,1.95) K20(4.55,1.95) K21(5.2,1.95) K22(5.85,1.95) K23(6.5,1.95) K24(7.15,1.95) K25(7.8,1.95) L1(-7.8,1.3) L2(-7.15,1.3) L3(-6.5,1.3) L4(-5.85,1.3) L5(-5.2,1.3) L6(-4.55,1.3) L7(-3.9,1.3) L8(-3.25,1.3) L9(-2.6,1.3) L10(-1.95,1.3) L11(-1.3,1.3) L12(-0.65,1.3) L13(0,1.3) L14(0.65,1.3) L15(1.3,1.3) L16(1.95,1.3) L17(2.6,1.3) L18(3.25,1.3) L19(3.9,1.3) L20(4.55,1.3) L21(5.2,1.3) L22(5.85,1.3) L23(6.5,1.3) L24(7.15,1.3) L25(7.8,1.3) M1(-7.8,0.65) M2(-7.15,0.65) M3(-6.5,0.65) M4(-5.85,0.65) M5(-5.2,0.65) M6(-4.55,0.65) M7(-3.9,0.65) M8(-3.25,0.65) M9(-2.6,0.65) M10(-1.95,0.65) M11(-1.3,0.65) M12(-0.65,0.65) M13(0,0.65) M14(0.65,0.65) M15(1.3,0.65) M16(1.95,0.65) M17(2.6,0.65) M18(3.25,0.65) M19(3.9,0.65) M20(4.55,0.65) M21(5.2,0.65) M22(5.85,0.65) M23(6.5,0.65) M24(7.15,0.65) M25(7.8,0.65) N1(-7.8,0) N2(-7.15,0) N3(-6.5,0) N4(-5.85,0) N5(-5.2,0) N6(-4.55,0) N7(-3.9,0) N8(-3.25,0) N9(-2.6,0) N10(-1.95,0) N11(-1.3,0) N12(-0.65,0) N13(0,0) N14(0.65,0) N15(1.3,0) N16(1.95,0) N17(2.6,0) N18(3.25,0) N19(3.9,0) N20(4.55,0) N21(5.2,0) N22(5.85,0) N23(6.5,0) N24(7.15,0) N25(7.8,0) P1(-7.8,-0.65) P2(-7.15,-0.65) P3(-6.5,-0.65) P4(-5.85,-0.65) P5(-5.2,-0.65) P6(-4.55,-0.65) P7(-3.9,-0.65) P8(-3.25,-0.65) P9(-2.6,-0.65) P10(-1.95,-0.65) P11(-1.3,-0.65) P12(-0.65,-0.65) P13(0,-0.65) P14(0.65,-0.65) P15(1.3,-0.65) P16(1.95,-0.65) P17(2.6,-0.65) P18(3.25,-0.65) P19(3.9,-0.65) P20(4.55,-0.65) P21(5.2,-0.65) P22(5.85,-0.65) P23(6.5,-0.65) P24(7.15,-0.65) P25(7.8,-0.65) R1(-7.8,-1.3) R2(-7.15,-1.3) R3(-6.5,-1.3) R4(-5.85,-1.3) R5(-5.2,-1.3) R6(-4.55,-1.3) R7(-3.9,-1.3) R8(-3.25,-1.3) R9(-2.6,-1.3) R10(-1.95,-1.3) R11(-1.3,-1.3) R12(-0.65,-1.3) R13(0,-1.3) R14(0.65,-1.3) R15(1.3,-1.3) R16(1.95,-1.3) R17(2.6,-1.3) R18(3.25,-1.3) R19(3.9,-1.3) R20(4.55,-1.3) R21(5.2,-1.3) R22(5.85,-1.3) R23(6.5,-1.3) R24(7.15,-1.3) R25(7.8,-1.3) T1(-7.8,-1.95) T2(-7.15,-1.95) T3(-6.5,-1.95) T4(-5.85,-1.95) T5(-5.2,-1.95) T6(-4.55,-1.95) T7(-3.9,-1.95) T8(-3.25,-1.95) T9(-2.6,-1.95) T10(-1.95,-1.95) T11(-1.3,-1.95) T12(-0.65,-1.95) T13(0,-1.95) T14(0.65,-1.95) T15(1.3,-1.95) T16(1.95,-1.95) T17(2.6,-1.95) T18(3.25,-1.95) T19(3.9,-1.95) T20(4.55,-1.95) T21(5.2,-1.95) T22(5.85,-1.95) T23(6.5,-1.95) T24(7.15,-1.95) T25(7.8,-1.95) U1(-7.8,-2.6) U2(-7.15,-2.6) U3(-6.5,-2.6) U4(-5.85,-2.6) U5(-5.2,-2.6) U6(-4.55,-2.6) U7(-3.9,-2.6) U8(-3.25,-2.6) U9(-2.6,-2.6) U10(-1.95,-2.6) U11(-1.3,-2.6) U12(-0.65,-2.6) U13(0,-2.6) U14(0.65,-2.6) U15(1.3,-2.6) U16(1.95,-2.6) U17(2.6,-2.6) U18(3.25,-2.6) U19(3.9,-2.6) U20(4.55,-2.6) U21(5.2,-2.6) U22(5.85,-2.6) U23(6.5,-2.6) U24(7.15,-2.6) U25(7.8,-2.6) V1(-7.8,-3.25) V2(-7.15,-3.25) V3(-6.5,-3.25) V4(-5.85,-3.25) V5(-5.2,-3.25) V6(-4.55,-3.25) V7(-3.9,-3.25) V8(-3.25,-3.25) V9(-2.6,-3.25) V10(-1.95,-3.25) V11(-1.3,-3.25) V12(-0.65,-3.25) V13(0,-3.25) V14(0.65,-3.25) V15(1.3,-3.25) V16(1.95,-3.25) V17(2.6,-3.25) V18(3.25,-3.25) V19(3.9,-3.25) V20(4.55,-3.25) V21(5.2,-3.25) V22(5.85,-3.25) V23(6.5,-3.25) V24(7.15,-3.25) V25(7.8,-3.25) W1(-7.8,-3.9) W2(-7.15,-3.9) W3(-6.5,-3.9) W4(-5.85,-3.9) W5(-5.2,-3.9) W6(-4.55,-3.9) W7(-3.9,-3.9) W8(-3.25,-3.9) W9(-2.6,-3.9) W10(-1.95,-3.9) W11(-1.3,-3.9) W12(-0.65,-3.9) W13(0,-3.9) W14(0.65,-3.9) W15(1.3,-3.9) W16(1.95,-3.9) W17(2.6,-3.9) W18(3.25,-3.9) W19(3.9,-3.9) W20(4.55,-3.9) W21(5.2,-3.9) W22(5.85,-3.9) W23(6.5,-3.9) W24(7.15,-3.9) W25(7.8,-3.9) Y1(-7.8,-4.55) Y2(-7.15,-4.55) Y3(-6.5,-4.55) Y4(-5.85,-4.55) Y5(-5.2,-4.55) Y6(-4.55,-4.55) Y7(-3.9,-4.55) Y8(-3.25,-4.55) Y9(-2.6,-4.55) Y10(-1.95,-4.55) Y11(-1.3,-4.55) Y12(-0.65,-4.55) Y13(0,-4.55) Y14(0.65,-4.55) Y15(1.3,-4.55) Y16(1.95,-4.55) Y17(2.6,-4.55) Y18(3.25,-4.55) Y19(3.9,-4.55) Y20(4.55,-4.55) Y21(5.2,-4.55) Y22(5.85,-4.55) Y23(6.5,-4.55) Y24(7.15,-4.55) Y25(7.8,-4.55)
